# KiCad board omnimarble-driver.kicad_pcb (continued)
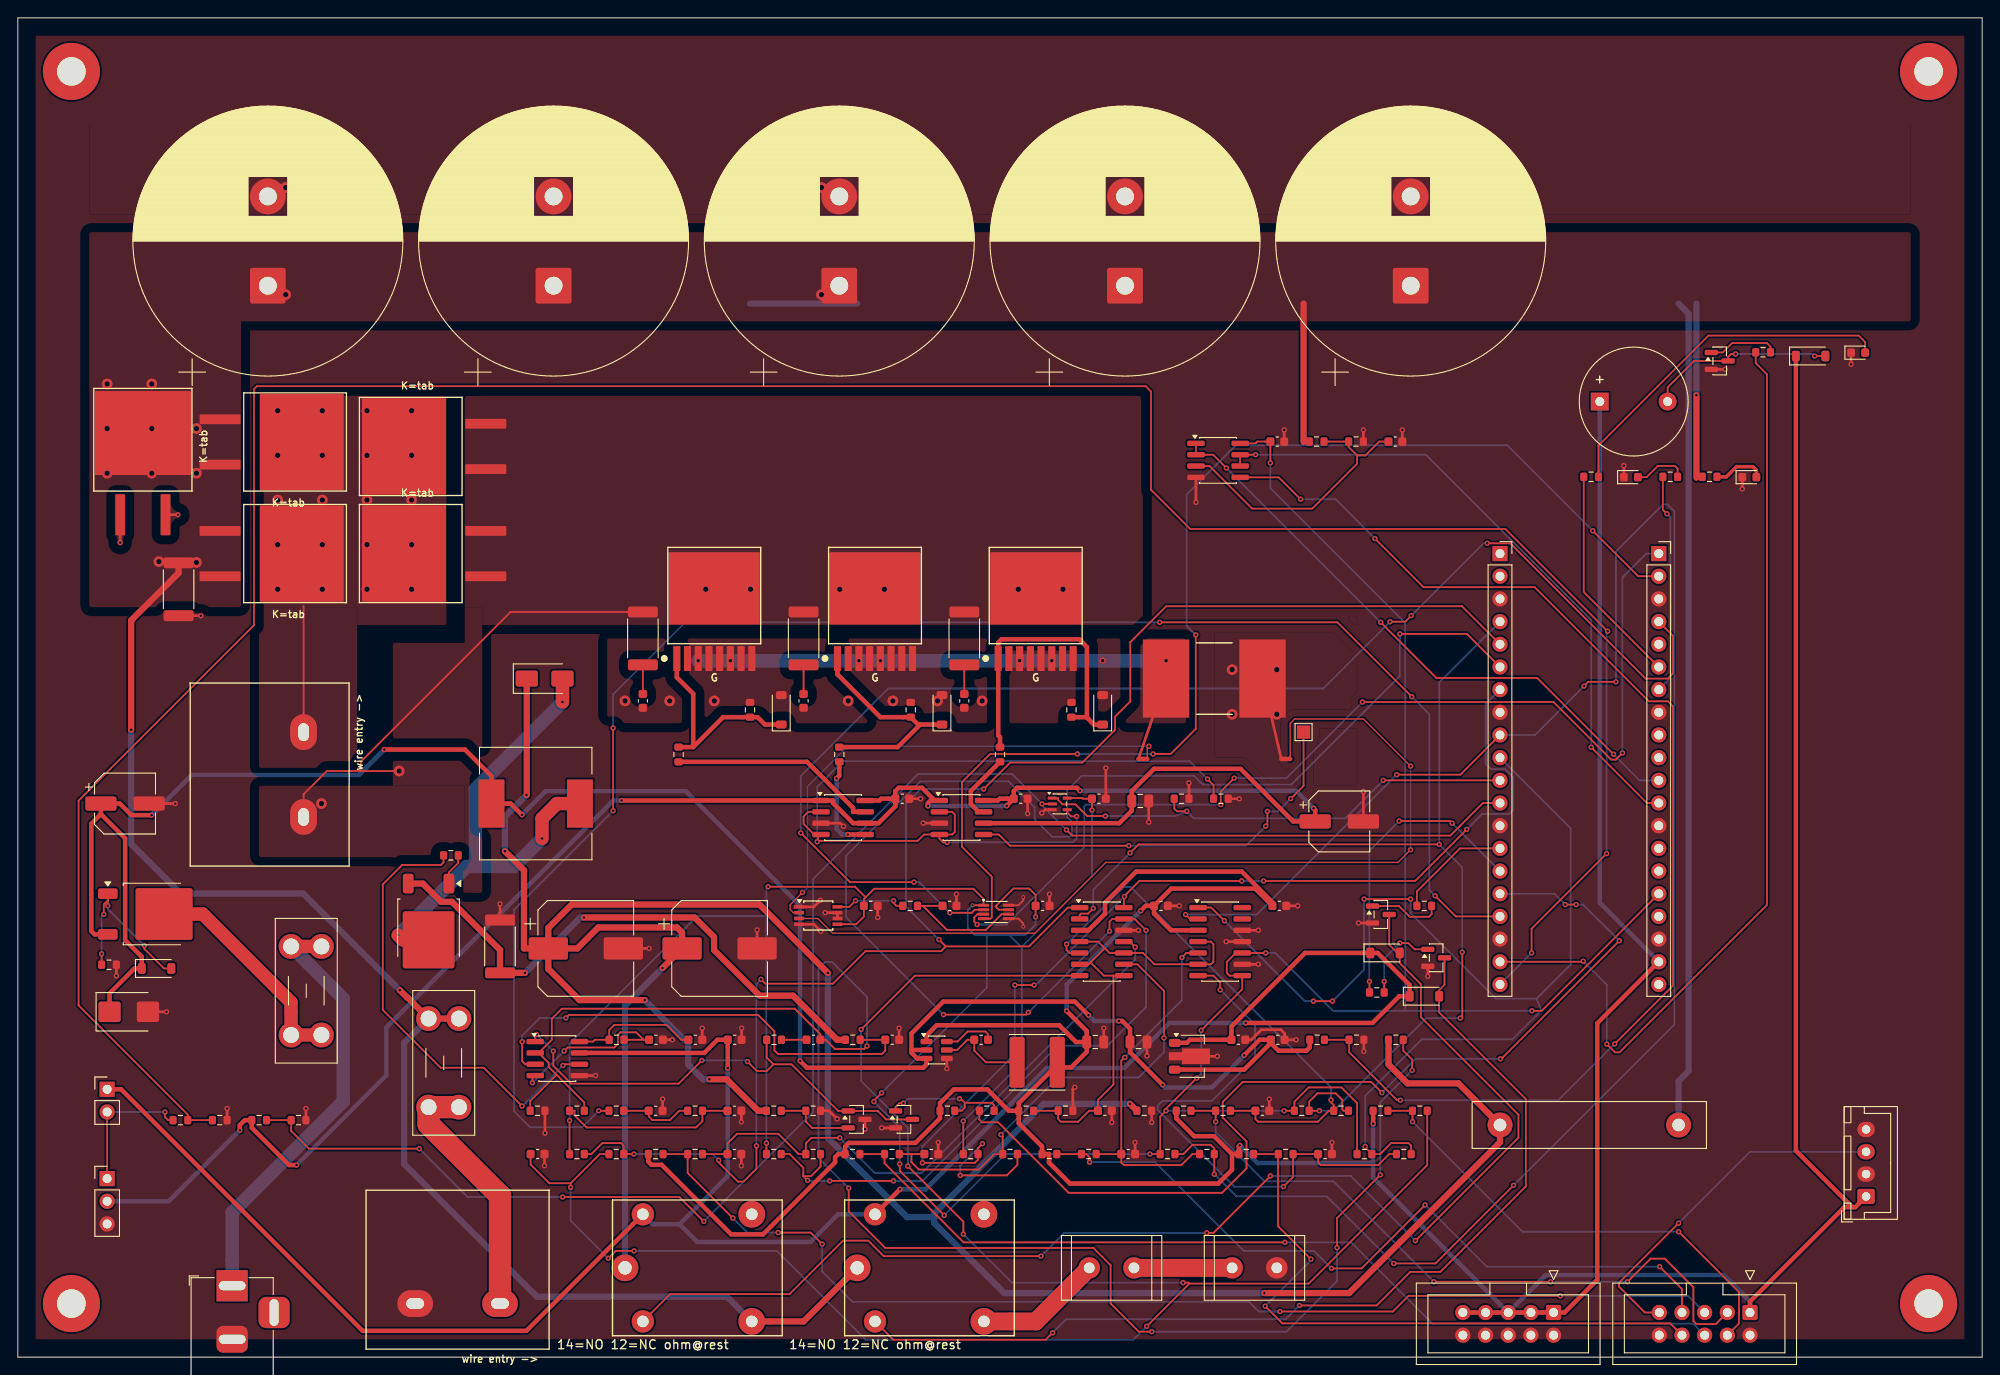
[diagram p0: board, top side]
## Nets
3V3: C17.1 C20.1 C26.1 C28.1 J10.16 R48.1 R52.1 R56.1 R60.1 R64.1 R68.1 U3.8 U6.5 U9.5 U10.1 U10.7 U12.8 U12.10
24V_F: F1.2 Q90.2
24V_JACK: F1.1 J1.1
+5V: BZ1.1 C3.1 C36.1 C37.1 D16.1 J6.1 J6.3 J6.5 J6.7 J6.9 J7.1 J8.1 J10.19 L1.2 R17.1 R44.1 R46.1 R50.1 R54.1 R58.1 R62.1 R66.1 U1.1 U11.3 U12.3
+12V: C5.1 C9.1 D3.1 D4.1 J3.1 K1.A1 K2.A1 U2.1 U4.7
+12V_SW: C18.1 C19.1 C21.1 C22.1 J4.2 R30.1 U7.1 U7.6 U7.8 U8.1 U8.6 U8.8
+24V: C1.1 C4.1 C6.1 D1.1 D90.1 L2.1 Q90.3 R2.1 U1.2 U1.3 U2.3
GND: C1.2 C3.2 C4.2 C5.2 C6.2 C7.2 C8.2 C9.2 C11.2 C12.2 C13.2 C14.2 C15.2 C16.2 C17.2 C18.2 C19.2 C20.2 C21.2 C22.2 C26.2 C27.2 C28.2 C29.2 C30.2 C31.2 C32.2 C33.2 C34.2 C35.2 C36.2 C37.2 C90.2 C91.2 C92.2 C93.2 C94.2 D5.1 D13.2 D14.1 D15.1 D90.2 J1.2 J2.2 J4.3 J6.2 J6.4 J6.6 J6.8 J6.10 J7.2 J7.10 J8.2 J8.4 J9.3 J9.8 J9.13 J9.18 J10.3 J10.8 J10.13 J10.18 NT2.1 Q1.2 Q2.2 Q3.2 Q4.2 R1.2 R3.2 R7.2 R9.2 R11.2 R16.2 R22.2 R24.2 R27.2 R29.2 R31.2 R32.2 R33.2 R45.2 RS1.2 U1.4 U2.2 U3.4 U4.5 U5.3 U6.3 U7.3 U8.3 U9.1 U9.4 U9.6 U9.7 U10.5 U10.8 U11.12 U12.9 U12.11 U12.12
V24_DIV: R2.2 R3.1 U3.5
V24_SENSE: J10.12 U3.6 U3.7
ADC_CS: J10.2 U10.4
ADC_SCK: J10.4 U10.2
ADC_SDO: J10.1 U10.3
ARM_SENSE: J9.12 R30.2 R31.1 U6.2
AUX_BANK: F2.1 J2.1
BOOST_EN_N: J9.16 R18.1
BST_COMP: Q1.3 R5.1 U4.1 U5.1
BST_COMP_Z: C10.1 R5.2
BST_CS: C11.1 R8.2 U4.3
BST_CS_HI: Q91.3 R7.1 R8.1
BST_DRV: R6.1 U4.6
BST_FB: C10.2 R10.2 R11.1 R12.2 U4.2
BST_G: Q91.1 R6.2
BST_RC: C7.1 R4.2 U4.4
BST_SW: D2.2 L2.2 Q91.2
BST_VREF: C8.1 R4.1 U4.8
BSTINH_B: Q1.1 R17.2 R18.2
BUCK_BST: C2.2 U1.6
BUCK_SW: C2.1 L1.1 U1.5
BUZZ: J9.19 R72.1
BUZZ_B: Q4.1 R72.2
BUZZ_DRV: BZ1.2 D16.2 Q4.3
CIN1: C30.1 R47.2 R49.1 U11.5
CIN2: C31.1 R51.2 R53.1 U11.7
CIN3: C32.1 R55.2 R57.1 U11.11
CIN4: C33.1 R59.2 R61.1 U11.9
CIN5: C34.1 R63.2 R65.1 U12.5
CIN6: C35.1 R67.2 R69.1 U12.7
COIL_HI: D9.1 D10.1 D11.1 D12.1 J5.1
DRV1: R34.1 U7.7
DRV2: R37.1 U7.5
DRV3: R40.1 U8.7
DRV_SPARE: TP1.1 U8.5
DUMP_MID: R21.2 R22.1
DUMP_R: K2.14 R21.1
ESTOP_OK: J3.2 J4.1 R28.1
ESTOP_SENSE: J9.20 R28.2 R29.1
FIRE_GATED: R33.1 U6.4 U7.2 U7.4 U8.2 U8.4
GATE1: J9.4 R48.2 R49.2 U11.2
GATE2: J9.5 R52.2 R53.2 U11.1
GATE3: J9.6 R56.2 R57.2 U11.13
GATE4: J9.7 R60.2 R61.2 U11.14
GATE5: J9.9 R64.2 R65.2 U12.2
GATE6: J9.10 R68.2 R69.2 U12.1
IMON: R43.1 U9.8
IMON_F: C27.1 R43.2 U10.6
ISNS_N: NT2.2 U9.3
ISNS_P: NT1.2 U9.2
K1_B: Q2.1 R20.2
K1_COIL: D3.2 K1.A2 Q2.3
K2_B: Q3.1 R23.2
K2_COIL: D4.2 K2.A2 Q3.3
LED_ARMED: J10.6 R70.1
LED_CHG: J10.7 R71.1
LEDA_K: D14.2 R70.2
LEDC_K: D15.2 R71.2
LIVE_LED: D5.2 R25.2
MCU_FIRE: J9.11 R32.1 U6.1
OVP_REF: R15.2 R16.1 U5.2
QG1: D6.1 Q10.1 R34.2 R35.1
QG2: D7.1 Q11.1 R37.2 R38.1
QG3: D8.1 Q12.1 R40.2 R41.1
RLY_CHARGE: J9.14 R20.1
RLY_DUMP: J9.15 R23.1
RPP_G: D1.2 Q90.1 R1.1
SHUNT_HI: C23.2 C24.2 C25.2 D6.2 D7.2 D8.2 NT1.1 Q10.3 Q11.3 Q12.3 R35.2 R38.2 R41.2 RS1.1
SIG1: J7.3 R46.2 R47.1
SIG2: J7.4 R50.2 R51.1
SIG3: J7.5 R54.2 R55.1
SIG4: J7.6 R58.2 R59.1
SIG5: J7.7 R62.2 R63.1
SIG6: J7.8 R66.2 R67.1
SIG_SPARE: J7.9 J8.3
SNB1: C23.1 R36.2
SNB2: C24.1 R39.2
SNB3: C25.1 R42.2
SW_DRAIN: D11.2 D12.2 J5.2 Q10.2 Q11.2 Q12.2 R36.1 R39.1 R42.1
VBANK: C90.1 C91.1 C92.1 C93.1 C94.1 D9.2 D10.2 D13.1 F2.2 K1.14 K2.11 R19.2 R24.1 R25.1 R26.1
VBANK_DIV: C16.1 R26.2 R27.1 U3.3
VBANK_SENSE: J10.11 U3.1 U3.2
VBOOST: C12.1 C13.1 D2.1 K1.11 R9.1 R10.1 R15.1 R19.1
VSET_FLT: C15.1 R12.1 R14.2
VSET_PWM: J9.17 R13.1
VSET_RC: C14.1 R13.2 R14.1
VTH_GATE: C29.1 R44.2 R45.1 U11.4 U11.6 U11.8 U11.10 U12.4 U12.6

Pads without a net: H1 1; H2 1; H3 1; H4 1; J1 3; J9 1 2; J10 5 9 10 14 15 17 20; K1 12; K2 12; U12 13 14

## Via types
v1: diameter 0.6, hole 0.3, Top to Bottom, 305 vias
v2: diameter 1.2, hole 0.6, Top to Bottom, 53 vias
v3: diameter 0.45, hole 0.25, Top to Bottom, 3 vias
v4: diameter 0.7, hole 0.4, Top to Bottom, 8 vias

## Routing (per net, layer and track width the routed paths; a pad name or vN(x,y) marks a point on that pad's centre or on a via; arc(x,y) is an arc through that point)
3V3: length 428.2
  Top w0.2: R52.1 v1(61.79,26.5) ; v1(141.82,27.59) R48.1 142.97,28.61 144.57,30.21 148.24,30.21 149.99,28.45 R68.1 ; v1(84.02,52.68) 93.77,52.68 94.95,51.5 ; v3(106.93,50.61) U10.1 108.16,51.32 107.02,52.46 95.91,52.46 94.95,51.5 ; v1(132.53,36.6) 137.13,41.2 U12.8 135.7,42.73 135.4,43.02 135.4,44.27 136.16,45.03 ; v1(98.78,21.63) 98.78,20.86 v1(103.75,15.88) ; U9.5 93.9,48.48 94.75,49.34 C26.1 94.75,51.3 94.95,51.5 ; U12.10 v1(139.76,45.27) ; 109.49,50.47 109.85,50.11 U10.7 ; v1(132.02,31.25) 128.59,27.83 v1(128.59,27.59) 127.94,26.94 R64.1 v1(126.79,22.75) ; v1(113.99,49.32) C28.1 113.99,51.75 113.26,52.49 111.49,52.49 109.49,50.48 ; v1(140.28,100.16) C17.1 138.81,102.55 138.61,102.34 U3.8 ; v1(169.57,38.79) 170.67,38.79 J10.16 ; v1(105.89,26.44) R60.1 ; R56.1 v1(83.84,23.97) ; v1(95.88,28.62) 95.88,28.74 v1(96.73,29.59) ; v1(120.3,61.27) C20.1 119.29,62.55 119.23,62.61 U6.5
  Bottom w0.2: v1(132.53,36.6) 132.53,31.76 v1(132.02,31.25) ; 111.05,47.26 112.34,45.97 112.45,45.97 ; 111.05,47.26 108.52,47.26 ; 111.05,47.26 112.82,47.26 113.99,48.43 v1(113.99,49.32) ; 108.52,47.26 107.18,47.26 106.39,48.05 106.39,50.07 v3(106.93,50.61) ; 108.52,47.26 108.52,41.38 v1(96.73,29.59) ; v1(169.57,38.79) 155.38,38.79 ; 155.38,38.79 147.31,38.79 140.83,45.27 v1(139.76,45.27) ; 155.38,38.79 155.38,82.23 140.28,97.33 v1(140.28,100.16) ; 83.84,49.39 v1(83.84,23.97) ; 83.84,49.39 76.06,49.39 61.79,35.13 v1(61.79,26.5) ; 83.84,49.39 83.84,52.5 v1(84.02,52.68) ; v1(105.89,26.44) 112.45,32.99 112.45,45.97 ; v1(128.59,27.59) v1(141.82,27.59) ; v1(95.88,28.62) 98.78,25.72 v1(98.78,21.63) ; 112.45,45.97 120.3,53.82 v1(120.3,61.27) ; v1(126.79,22.75) 110.62,22.75 v1(103.75,15.88)
24V_F: length 25.4
  Top w1.5: F1.2 F1.2 30.6,39.73 20.7,49.63 16.38,49.63
24V_JACK: length 49
  Top w1.5: F1.1 F1.1
  Bottom w1.5: F1.1 36.44,40.16 36.44,28.65 24,16.21 J1.1
+5V: length 512.3
  Top w0.5: J6.9 J6.7 J6.5 J6.3 J6.1 173.23,5 176.89,8.67 176.89,37.39 J10.19 ; R50.1 v1(151.79,26.14) ; R46.1 129.74,26.74 131.73,24.75 133.98,24.75 135.98,22.75 ; D16.1 199.14,23.12 205.47,16.8 ; C36.1 126.3,50.55 v1(125.75,49.99) ; C36.1 127.25,49.69 129.13,47.81 U12.3 ; C36.1 129.18,52.48 138.58,52.48 C37.1 140.51,50.96 137.08,54.39 125.24,54.39 121.76,50.9 121.76,49.67 119.9,47.81 U11.3 ; J8.1 205.8,16.8 205.47,16.8 ; 119.72,35.3 119.72,36.53 v1(117.47,38.77) ; 119.72,35.3 118.5,35.3 116.63,37.17 102.91,37.17 101.77,36.03 U1.1 ; 119.72,35.3 119.72,34.19 117.97,32.45 116.42,32.45 ; 135.98,22.75 135.98,20.99 134.43,19.44 117.85,19.44 115.49,21.8 115.49,22.75 R62.1 114.71,23.6 112.1,26.21 R44.1 ; 135.98,22.75 R66.1 136.76,23.62 v1(136.86,23.72) ; R44.1 112.1,28.45 116.11,32.45 116.42,32.45 ; R44.1 110.99,27.59 108.59,29.99 104.83,29.99 103.28,28.45 R17.1 103.28,26.74 100.53,23.99 93.06,23.99 92.66,23.6 R58.1 91.88,22.75 91.53,22.39 91.53,21.82 83.46,13.75 79.9,13.75 72.11,21.54 70.96,21.54 70.61,21.89 R54.1 ; 205.47,16.8 204.57,16.8 194,6.23 J7.1 ; 116.42,32.45 116.42,33.03
  Bottom w0.5: J10.19 177.18,50.89 177.18,107.03 ; v1(117.47,38.77) 117.47,41.71 v1(125.75,49.99) ; 151.79,21.73 138.85,21.73 v1(136.86,23.72) ; 151.79,21.73 151.79,20.13 J6.5 171.11,9.19 191.04,9.19 194,6.23 J7.1 ; 151.79,21.73 v1(151.79,26.14)
+12V: length 248.1
  Top w0.5: U4.7 76.88,34.08 78.35,35.55 C9.1 v1(79.51,32.37) ; K2.A1 v1(98.8,18.8) ; K1.A1 56.95,2.95 38.61,2.95 11.56,30 J3.1 ; v1(137.52,37.43) 151.72,37.43 154.72,40.42 155.88,40.42 155.88,41.69 152.3,45.28 D3.1 144.17,45.28 135.92,37.03 C5.1 131.27,35.55 130.93,35.2 U2.1
  Bottom w0.5: 94.69,16 91.86,16 88.76,12.9 76.1,12.9 74.12,14.88 ; v1(137.52,37.43) 128.97,37.43 123.93,32.38 115.24,32.38 101.65,18.8 v1(98.8,18.8) ; 74.12,14.88 71.12,14.88 K1.A1 ; 74.12,14.88 79.51,20.27 v1(79.51,32.37)
+12V_SW: length 222.8
  Top w0.5: U8.6 123.37,59.81 124.75,61.19 124.75,63.4 127.26,65.9 136.94,65.9 142.84,60 C19.1 145.3,61.3 v1(145.12,61.48) ; v1(110.75,61.75) C22.1 ; C22.1 109.96,62.55 109.76,62.34 U8.8 ; C22.1 111.54,63.4 111.92,63.77 118.61,63.77 v1(118.95,63.43) ; 102.45,62.58 101.92,62.05 v1(101.92,61.74) ; 102.45,62.58 102.69,62.34 U8.1 ; 102.45,62.58 101.27,63.77 98.66,63.77 98.28,63.4 C21.1 ; U7.8 96.5,62.34 96.7,62.55 C21.1 ; C21.1 98.28,61.69 96.39,59.81 U7.6 93.55,59.81 91.3,62.05 91.3,62.34 U7.1 v1(67.61,62.34) ; v1(31.22,21.52) 30.38,21.52 26.2,25.69 R30.1 25.42,26.55 24.86,25.98 v1(24.86,25.41)
  Bottom w0.5: v1(67.61,62.34) 66.69,62.34 41.27,36.92 41.27,31.57 v1(31.22,21.52) ; v1(24.86,25.41) 16.91,17.46 J4.2 ; v1(118.95,63.43) 143.17,63.43 v1(145.12,61.48) ; v1(110.75,61.75) 110.74,61.74 v1(101.92,61.74)
+24V: length 241.9
  Top w0.5: v1(119.91,38.3) 118.39,39.82 103.64,39.82 100.08,36.26 100.08,34.1 100.73,33.45 U1.3 101.77,32.77 101.41,32.42 88.37,32.42 v1(87.6,33.18) ; D90.1 10.27,40.75 13.05,43.53 D1.1 13.88,44.84 12.02,46.71 12.02,58.11 9.3,60.82 ; v1(14.98,60.7) 12.73,60.7 11.43,62 C1.1 9.3,60.82 ; R2.1 144.69,34.69 144.31,34.32 141.2,34.32 140.33,35.19 ; v1(123.31,37.65) 123.7,37.65 124.56,36.78 C4.1 124.56,34.15 v1(128.22,30.5) ; 10.07,47.35 8.6,47.35 8.22,47.73 8.22,59.75 9.3,60.82 ; v1(137.34,33.81) 139.08,35.55 C6.1 140.33,35.19 ; v1(56.46,60.74) 55.19,62 L2.1 53.05,65.08 50.07,68.05 v1(41.04,68.05) ; U2.3 137.34,32.2 140.33,35.19 ; U1.2 100.08,34.4
  Bottom w0.5: v1(128.22,30.5) 128.52,30.2 133.74,30.2 v1(137.34,33.81) ; v1(87.6,33.18) 87.6,50.59 74.8,63.4 59.12,63.4 v1(56.46,60.74) ; v1(123.31,37.65) 120.56,37.65 v1(119.91,38.3) ; v1(14.98,60.7) 19.5,65.21 38.21,65.21 v1(41.04,68.05)
GND: length 138.4
  Top w0.2: U10.5 112.06,49.11 112.61,48.57 v3(112.61,48.21) ; U10.8 112.06,50.61 112.61,51.15 v3(112.61,51.51)
  Top w0.3: R45.2 118.16,30.01 v1(118.37,30.22) ; v1(91.77,26.67) 90.84,27.59 R16.2 ; C5.2 138.15,35.55 139.27,36.67 141.46,36.67 141.88,36.25 C6.2 v1(143.16,35.55) ; C15.2 v1(81.03,26.35) ; C14.2 v1(72.21,28.9) ; Q1.2 v1(96.74,25.67) ; v1(70.7,45.78) C12.2 ; C19.2 v1(150.7,63.34) ; v1(89.87,51.16) 89.15,50.44 87.5,50.44 ; R29.2 v1(23.44,27.85) ; C1.2 v1(17.63,62) ; v1(157.91,42.65) Q3.2 ; D5.1 v1(193.14,97.25) ; v1(92.47,59.45) 92.12,59.81 U7.3 ; v1(94.87,25.53) U5.3 ; v1(126.66,59.92) 126.66,62.3 ; C4.2 v1(126.47,33.74) ; C35.2 v1(147.18,24.05) ; v1(131.16,64.31) R32.2 ; C17.2 v1(141.83,103.85) ; C8.2 v1(76.65,36.85) ; v1(125.5,47.81) U11.12 ; U1.4 v1(104.04,32.32) ; R1.2 v1(11.03,42.71) ; Q4.2 v1(191.23,110.62) ; C32.2 v1(81.03,21.44) ; C26.2 v1(96.3,49.24) ; C22.2 v1(113.09,60.88) ; C28.2 v1(115.54,51.85) ; U12.9 v1(138.93,44) ; C21.2 v1(101.1,62.55) ; U4.5 v1(64.7,31.53) ; C20.2 v1(121.85,65.99) ; R7.2 v1(54,50.76) ; C34.2 v1(125.13,24.05) ; C31.2 v1(58.98,21.44) ; R9.2 v1(126.98,26.29) ; D13.2 v1(11.46,91.22) ; 121.61,35.3 v1(121.61,36.85) ; 131.37,33.7 v1(134.34,33.7) ; D90.2 v1(16.65,38.68) ; C16.2 v1(155.06,103.85) ; U8.3 v1(101.41,59.81) ; v1(130.08,50.55) C36.2 ; R11.2 v1(59.03,25.09) ; U3.4 v1(131.95,95.74) ; R33.2 v1(136.8,62.55) ; C13.2 v1(82.8,47.85) ; D15.1 v1(179.87,99.86) ; v1(90.42,49.78) U9.7 91.8,49.14 ; U12.11 v1(135.33,46.54) ; R24.2 v1(20.5,83.04) ; C9.2 v1(81.06,36.85) ; 87.5,48.48 89.15,48.48 v1(89.92,47.71) ; Q2.2 v1(150.15,48.62) ; C29.2 v1(122.52,26.29) ; C27.2 v1(105.12,51.85) ; R27.2 v1(150.7,103.85) ; RS1.2 NT2.1 ; R3.2 v1(150.75,34.24) ; v1(73.31,35.55) C7.2 ; C33.2 v1(103.08,24.05) ; v1(114.67,60.94) 115.04,61.31 U6.3 ; C11.2 v1(98.7,36.85) ; U12.12 v1(138.93,47.81) ; D14.1 v1(205.32,111.2) ; C30.2 v1(140.16,28.9) ; C37.2 v1(143.34,50.55) ; D13.2 v1(17.92,94.35) ; R31.2 v1(32.26,27.85)
  vias: v2(30,131) v2(90,131) v2(136,77) v2(136,72) v2(141,77) v2(141,72)
V24_DIV: length 138.3
  Top w0.2: v1(151.99,91.68) 157.43,86.24 169.88,86.24 182.67,73.45 184.81,73.45 185.38,72.88 185.38,41.62 v1(178.84,35.08) ; R2.2 R3.1 149.1,34.15 154.47,28.78 v1(154.84,28.78) ; v1(143.66,96.09) 141.22,98.53 U3.5
  Bottom w0.2: v1(151.99,91.68) 147.58,96.09 v1(143.66,96.09) ; v1(154.84,28.78) 172.54,28.78 v1(178.84,35.08)
V24_SENSE: length 72.7
  Top w0.2: v1(138.63,101.08) 136.9,101.08 U3.6 ; J10.12 182.46,62.06 v1(176.22,68.3)
  Bottom w0.2: v1(176.22,68.3) 176.22,82.54 157.69,101.08 v1(138.63,101.08)
ADC_CS: length 134.1
  Top w0.2: v1(118.67,67.55) 108.9,67.55 105.73,64.39 105.73,57.17 109.08,53.82 109.08,49.26 108.93,49.11 U10.4 ; v1(176.38,92.56) 181.48,87.46 J10.2 ; v1(131.93,80.89) 131.93,70.37 129.11,67.55 v1(127.15,67.55)
  Bottom w0.2: v1(118.67,67.55) v1(127.15,67.55) ; v1(131.93,80.89) 130.9,81.92 130.9,96.62 136.41,102.13 166.82,102.13 v1(176.38,92.56)
ADC_SCK: length 152.2
  Top w0.2: v1(156.06,83.05) 155.37,82.37 v1(153.68,82.37) ; v1(164.57,91.15) 167.15,91.15 182.3,76 184.8,76 185.38,76.58 185.38,80.78 J10.4 ; v1(87.69,58.71) 93.2,53.2 v1(100.36,53.2) ; U10.2 107.18,50.11 106.84,49.77 v1(104.38,49.77)
  Bottom w0.2: v1(156.06,83.05) 164.16,91.15 v1(164.57,91.15) ; v1(100.36,53.2) 100.95,53.2 v1(104.38,49.77) ; v1(153.68,82.37) 146.2,74.89 97.48,74.89 87.69,65.1 v1(87.69,58.71)
ADC_SDO: length 116
  Top w0.2: U10.3 107.48,49.61 107.11,49.23 107.11,48.79 v1(107.44,48.46) ; v1(150.59,73.37) 172,73.37 178.45,66.92 178.97,66.92 v1(179.71,67.67) ; v1(134.72,61.89) 134.72,63.34 v1(136.23,64.85)
  Bottom w0.2: J10.1 182.39,90 179.71,87.32 v1(179.71,67.67) ; v1(134.72,61.89) 119.64,61.89 119.43,61.68 119.43,57.13 110.75,48.46 v1(107.44,48.46) ; v1(136.23,64.85) 142.07,64.85 v1(150.59,73.37)
ARM_SENSE: length 185.2
  Top w0.2: v1(114.72,61.96) U6.2 ; R30.2 R31.1 30.61,25.34 32.59,23.35 v1(44.96,23.35) ; v1(76.82,15.2) 74.09,17.94 v1(61.02,17.94) ; J9.12 164.08,62.06 160.44,58.42 118.08,58.42 v1(117.44,59.05)
  Bottom w0.2: v1(61.02,17.94) 50.37,17.94 v1(44.96,23.35) ; v1(117.44,59.05) 114.72,61.78 v1(114.72,61.96) 111.36,65.32 100.82,65.32 89.07,53.56 89.07,27.45 v1(76.82,15.2)
AUX_BANK: length 28.7
  Top w2.5: J2.1 54,18.09 46,26.09 F2.1 F2.1
BOOST_EN_N: length 112.4
  Top w0.2: v1(179.37,46.64) 166.14,33.41 v1(166.04,33.41) ; R18.1 107.69,26.6 107.98,26.3 109.79,26.3 117.69,18.4 134.86,18.4 137.61,21.15 137.61,24.16 134.95,26.82 134.95,28.59 137.18,30.82 151.57,30.82 v1(152.77,29.63) ; v1(174.53,50.69) v1(173.31,50.69)
  Bottom w0.2: v1(152.77,29.63) 156.55,33.41 v1(166.04,33.41) ; v1(179.37,46.64) 175.32,50.69 v1(174.53,50.69) ; v1(173.31,50.69) 172.1,51.9 J9.16
BST_COMP: length 53.7
  Top w0.2: 84.63,32.8 86.66,32.8 91.88,27.58 U5.1 96.29,27.58 97.24,26.62 Q1.3 ; 84.63,32.8 83.87,32.04 82.78,32.04 v1(81.72,33.1) ; 84.63,32.8 83.87,33.55 R5.1 ; U4.1 57.95,36 v1(58.09,36.15) ; v1(59.97,34.27) 59.97,32.64 61.98,30.63 74.01,30.63 v1(76.6,33.23)
  Bottom w0.2: v1(59.97,34.27) v1(58.09,36.15) ; v1(76.6,33.23) 81.59,33.23 v1(81.72,33.1)
BST_COMP_Z: length 2.8
  Top w0.2: C10.1 R5.2
BST_CS: length 53.4
  Top w0.2: v1(56.47,35.33) 56.47,33.16 56.82,32.81 U4.3 ; R8.2 C11.1 97.15,34.34 96.76,33.95 85.13,33.95 84.73,34.36 84.73,36.51 82.91,38.32 61.71,38.32 v1(61.37,37.99)
  Bottom w0.2: v1(56.47,35.33) 56.47,36.01 58.45,37.99 v1(61.37,37.99)
BST_CS_HI: length 63.7
  Top w0.7: R8.1 91.76,35.55 86.82,40.49 83.08,40.49 77.98,45.59 77.98,47.05 75.79,49.24 v1(63.38,49.24) ; Q91.3 45.36,53.04 47.4,51 48.62,51 54,45.61 R7.1 v1(56.8,43.04)
  Bottom w0.7: v1(56.8,43.04) 63.01,49.24 v1(63.38,49.24)
BST_DRV: length 51.1
  Top w0.2: R6.1 47.67,55.42 47.38,55.13 43.05,55.13 40.87,52.95 40.87,38.89 47.35,32.42 52.17,32.42 v1(56.47,28.12) ; U4.6 61.19,32.81 v1(61.06,32.67)
  Bottom w0.2: v1(56.47,28.12) 56.51,28.12 v1(61.06,32.67)
BST_FB: length 193.2
  Top w0.2: 63.44,28.11 63.44,28.52 60.33,31.63 ; v1(95.11,34.85) 94.78,34.52 91.51,34.52 90.48,35.55 C10.2 89.88,36.17 87.03,39.03 60.92,39.03 59.8,37.9 59.8,35.54 58.33,34.08 ; 60.33,31.63 57.38,28.68 57.38,28.16 ; 60.33,31.63 59.45,32.51 59.45,32.95 58.33,34.08 ; v1(156.16,32.13) 156.16,33.34 155.16,34.34 R10.2 ; v1(93.05,18.93) 93.05,16.33 97.16,12.23 120.46,12.23 122.39,10.3 122.39,6.01 125.55,2.85 v1(126.99,2.85) ; 58.33,34.08 U4.2 ; v1(152.59,20.42) 147.74,15.57 v1(147.74,12.26)
  Bottom w0.2: v1(93.05,18.93) 89.67,22.31 89.67,43.49 90.43,44.25 91.2,44.25 95.11,40.34 v1(95.11,34.85) ; v1(156.16,32.13) 152.59,28.56 v1(152.59,20.42) ; v1(126.99,2.85) 142.09,2.85 147.74,8.51 v1(147.74,12.26)
BST_G: length 3.6
  Top w0.2: Q91.1 48.28,54.29 49.33,55.34 R6.2
BST_RC: length 19.5
  Top w0.2: 70.09,35.55 69.25,36.38 67.49,36.38 67.21,36.1 67.21,35.08 66.81,34.68 61.57,34.68 v1(61.18,34.29) ; 70.09,35.55 C7.1 ; 70.09,35.55 R4.2 ; v1(57.62,30.73) 57.62,31.21 U4.4
  Bottom w0.2: v1(57.62,30.73) v1(61.18,34.29)
BST_SW: length 56.5
  Top w1.5: D2.2 v1(61,73.37) ; v1(42.6,47.26) 43.12,46.74 Q91.2 ; L2.2 60.38,62 58.71,60.33 v1(58.71,58.09)
  Bottom w1.5: 51.24,54.95 51.24,63.61 v1(61,73.37) ; 51.24,54.95 50.3,54.95 v1(42.6,47.26) ; 51.24,54.95 55.57,54.95 v1(58.71,58.09)
BST_VREF: length 14.3
  Top w0.2: U4.8 64.41,35.34 64.61,35.55 R4.1 66.23,36.63 66.81,37.21 72.64,37.21 74.3,35.55 C8.1
BSTINH_B: length 14.6
  Top w0.2: Q1.1 98.31,28.03 98.73,28.45 v1(99.18,28.45) ; R18.2 109.34,28.22 109.07,28.49 106.06,28.49 ; 106.06,28.49 106.06,27.96 105.7,27.59 R17.2 ; 106.06,28.49 105.6,28.94 v1(105.45,28.94)
  Bottom w0.2: v1(105.45,28.94) 99.68,28.94 v1(99.18,28.45)
BUCK_BST: length 5.8
  Top w0.2: C2.2 108.66,36.17 108.36,36.47 106.37,36.47 105.24,35.35 U1.6
BUCK_SW: length 10.1
  Top w0.2: U1.5 105.21,34.4 106.35,35.55 C2.1 107.11,34.34 108.42,33.03 111.92,33.03
BUZZ: length 107.3
  Top w0.2: v1(177.97,35.06) 178.88,34.14 179.38,34.14 195.9,50.66 195.9,110.07 194.64,111.34 R72.1 ; v1(175.32,44.34) 175.26,44.28 J9.19
  Bottom w0.2: v1(177.97,35.06) 177.97,41.7 v1(175.32,44.34)
BUZZ_B: length 7.9
  Top w0.2: R72.2 196.29,113.17 195.88,113.58 192,113.58 190.94,112.53 189.67,112.53
BUZZ_DRV: length 21.2
  Top w0.2: v1(201.24,112.12) D16.2 ; 184.78,107.03 184.78,108.62 187.73,111.58 Q4.3 191.54,112.03 191.87,112.36 v1(192.39,112.36)
  Bottom w0.2: v1(192.39,112.36) 201.01,112.36 v1(201.24,112.12)
CIN1: length 59.7
  Top w0.2: v1(147.08,28.8) 147.08,28.53 147.38,28.22 R49.1 146.83,27.59 145.6,26.37 138.9,26.37 138.61,26.66 C30.1 R47.2 ; U11.5 117.79,45.27 117.45,45.61 v1(117.45,46.25)
  Bottom w0.2: v1(147.08,28.8) 147.08,30.21 124.65,52.64 123.84,52.64 v1(117.45,46.25)
CIN2: length 214.7
  Top w0.2: 61.91,19.47 59.53,19.47 57.43,21.57 57.43,22.53 ; 61.91,19.47 65.18,22.75 R53.1 ; 61.91,19.47 v1(61.91,19.01) ; v1(69.02,11.9) 66.96,11.9 v1(66.13,11.07) ; 131.22,8.24 131.11,8.34 v1(130.5,8.34) ; 131.22,8.24 144.57,8.24 157.85,21.51 R51.2 ; 131.22,8.24 v1(126.43,3.45) ; v1(105.9,13.77) 105.9,15.18 v1(99.68,21.4) ; U11.7 100.48,42.73 v1(94.45,36.7)
  Bottom w0.2: v1(130.5,8.34) 111.33,8.34 v1(105.9,13.77) ; v1(61.91,19.01) 61.91,15.29 v1(66.13,11.07) ; v1(99.68,21.4) 99.68,25.69 94.45,30.91 v1(94.45,36.7) ; v1(69.02,11.9) 85.01,11.9 94.96,1.95 124.93,1.95 v1(126.43,3.45)
CIN3: length 67
  Top w0.2: v1(92.05,24.57) 88.86,24.57 88.25,23.95 R57.1 87.44,22.75 85.17,25.02 80.55,25.02 79.48,23.95 C32.1 R55.2 ; v1(125.14,45.92) 124.52,46.54 U11.11
  Bottom w0.2: v1(92.05,24.57) 96.01,20.61 101.22,20.61 125.14,44.53 v1(125.14,45.92)
CIN4: length 54.7
  Top w0.2: v1(128.37,35.76) 128.37,41.02 125.38,44 U11.9 ; 100.08,22.75 R59.2 C33.1 100.08,22.75 ; 100.08,22.75 100.08,21.84 100.91,21.01 107.63,21.01 109.36,22.75 R61.1 110.3,24.73 v1(110.11,24.92)
  Bottom w0.2: v1(110.11,24.92) 116.51,31.32 125.53,31.32 128.37,34.16 v1(128.37,35.76)
CIN5: length 40
  Top w0.2: R65.1 131.54,22.75 130.32,21.52 123.87,21.52 123.58,21.81 C34.1 ; v1(130.37,44.76) 130.88,45.27 U12.5 ; C34.1 123.58,33.18 v1(123.97,33.57) ; C34.1 R63.2
  Bottom w0.2: v1(123.97,33.57) 130.37,39.97 v1(130.37,44.76)
CIN6: length 61.3
  Top w0.2: R69.1 153.59,22.75 152.37,21.52 145.92,21.52 145.63,21.81 C35.1 R67.2 142.82,20.17 v1(141.74,19.09) ; v1(134.67,41.14) 134.67,41.95 133.89,42.73 U12.7
  Bottom w0.2: v1(141.74,19.09) 136.24,19.09 127.66,27.68 127.66,28.17 128.19,28.7 133.72,28.7 138.57,33.55 138.57,37.23 v1(134.67,41.14)
COIL_HI: length 14.2
  Top w0.2: J5.1 32,84.15
  vias: v2(29.1,106) v2(29.1,101) v2(29.1,96) v2(29.1,91) v2(29.1,86) v2(34.1,106) v2(34.1,101) v2(34.1,96) v2(34.1,91) v2(34.1,86) v2(39.1,106) v2(39.1,101) v2(39.1,96) v2(39.1,91) v2(39.1,86) v2(44.1,106) v2(44.1,101) v2(44.1,96) v2(44.1,91) v2(44.1,86)
DRV1: length 23.5
  Top w0.5: U7.7 93.55,61.08 93.55,61.51 88.38,66.67 R34.1
DRV2: length 11.1
  Top w0.5: v1(91.69,64.81) 92,65.12 R37.1 ; U7.5 v1(92.95,58.53)
  Bottom w0.5: v1(92.95,58.53) 92.33,58.53 91.69,59.17 v1(91.69,64.81)
DRV3: length 7.9
  Top w0.5: R40.1 106.73,63.41 106.73,61.95 107.61,61.08 U8.7
DRV_SPARE: length 46
  Top w0.2: v1(139.95,61.13) 139.95,59.66 v1(139.75,59.47) ; TP1.1 144,63.99 v1(142.56,62.55) ; v1(124.42,57.28) 111.12,57.28 109.87,58.53 U8.5
  Bottom w0.2: v1(139.75,59.47) 137.57,57.28 v1(124.42,57.28) ; v1(142.56,62.55) 141.14,61.13 v1(139.95,61.13)
DUMP_MID: length 11
  Top w2: R21.2 R22.1
DUMP_R: length 14.3
  Top w2: K2.14 114,4 R21.1
ESTOP_OK: length 15.5
  Top w0.2: J4.1 J3.2 ; v1(16.47,27.45) 16.47,26.9 16.83,26.55 R28.1
  Bottom w0.2: v1(16.47,27.45) 16.46,27.46 J3.2
ESTOP_SENSE: length 312
  Top w0.2: v1(169.54,45.28) 169.54,47.99 v1(177.94,56.4) ; v1(178.05,81.3) 166.61,92.75 131.31,92.75 126.91,97.15 126.91,108.15 126.31,108.75 26.77,108.75 26.44,108.42 26.44,81.97 6.8,62.33 6.8,39.4 19.03,27.17 R28.2 R29.1
  Bottom w0.2: v1(177.94,56.4) 177.94,81.19 v1(178.05,81.3) ; J9.20 v1(169.54,45.28)
FIRE_GATED: length 100.4
  Top w0.2: 89.63,57.83 100.79,57.83 101.5,58.53 U8.4 ; 89.63,57.83 89.63,58.48 89.68,58.53 ; 89.63,57.83 v1(89.53,57.73) ; U7.2 88.52,61.08 88,60.55 88,59.72 89.18,58.53 89.68,58.53 ; U8.4 104.64,58.53 104.94,58.83 104.94,60.78 104.64,61.08 U8.2 ; U8.4 103.21,58.08 103.63,57.66 v1(104.08,57.66) ; 89.68,58.53 U7.4 ; R33.1 133.92,64.06 v1(133.25,64.73) ; v1(118.58,60.56) 117.96,60.56 117.53,60.98 U6.4
  Bottom w0.2: v1(118.58,60.56) 118.58,58.08 118.16,57.66 v1(104.08,57.66) ; v1(133.25,64.73) 131.23,66.75 92.41,66.75 89.53,63.86 v1(89.53,57.73)
GATE1: length 122.1
  Top w0.2: v1(161.55,37.97) 161.77,38.19 v1(161.77,45.36) ; U11.2 118.92,49.53 119.06,49.67 119.85,49.67 v1(120.44,50.26) ; v1(159.2,57.43) 125.52,57.43 v1(124.57,56.48) ; R49.2 148.48,27.59 148.34,27.74 148.34,28.81 147.6,29.55 145.56,29.55 144.62,28.61 R48.2 v1(145.77,27.59)
  Bottom w0.2: v1(120.44,50.26) 120.44,52.35 v1(124.57,56.48) ; v1(145.77,27.59) 147.36,27.59 157.73,37.97 v1(161.55,37.97) ; J9.4 159.2,75.58 v1(159.2,57.43) 161.77,54.86 v1(161.77,45.36)
GATE2: length 183.7
  Top w0.2: J9.5 161.74,84.1 128.62,84.1 124.59,80.08 124.59,73.44 122.89,71.73 122.89,70.26 119.23,66.6 111.14,66.6 v1(108.17,63.62) ; 103.93,46 v1(103.17,46.76) ; 103.93,46 103.4,45.47 94.93,45.47 91.29,41.83 83.71,41.83 v1(83.24,42.3) ; 103.93,46 113.25,46 117.6,50.35 U11.1 ; v1(69,22.75) R53.2 67.85,23.68 67.56,23.97 65.45,23.97 64.23,22.75 R52.2 ; v1(82.72,23.67) 82.72,21.1 81.28,19.66 80.64,19.66 78.49,21.8 v1(78.49,22.05)
  Bottom w0.2: v1(103.17,46.76) 99.46,50.47 99.46,61.97 101.12,63.62 v1(108.17,63.62) ; v1(69,22.75) 77.8,22.75 v1(78.49,22.05) ; v1(83.24,42.3) 82.72,41.78 v1(82.72,23.67)
GATE3: length 210.8
  Top w0.2: v1(103.67,38.36) 112.93,38.36 v1(113.18,38.61) ; 87.97,20.27 88.83,20.27 89.9,21.35 R57.2 ; 87.97,20.27 v1(88.45,19.8) ; 87.97,20.27 87.97,21.2 86.43,22.75 R56.2 ; v1(122.27,47.7) 122.27,48.77 122.58,49.08 U11.13 ; v1(126.36,47.8) 125.08,49.08 124.9,49.08 ; J9.6 162.3,81 v1(154.78,81) ; v1(90.92,19.74) v1(98.07,19.74)
  Bottom w0.2: v1(154.78,81) 154.78,76.29 142.63,64.13 132.71,64.13 131.73,65.11 119.14,65.11 117.53,63.5 117.53,60.5 118.04,59.99 118.04,58.55 117.77,58.28 115.84,58.28 113.87,60.25 113.87,61.58 110.97,64.48 101.08,64.48 92.77,56.17 92.77,49.26 v1(103.67,38.36) ; v1(113.18,38.61) v1(122.27,47.7) ; v1(126.36,47.8) 126.36,39.22 122.02,34.88 116.47,34.88 101.33,19.74 v1(98.07,19.74) ; v1(90.92,19.74) 88.5,19.74 v1(88.45,19.8)
GATE4: length 126.9
  Top w0.2: v1(111.66,41.68) v1(113.82,41.68) ; v1(139.53,53.33) 156.5,53.33 v1(162.27,59.1) ; v1(108.03,23.91) 107.54,23.42 R60.2 107.54,22.12 107.18,21.76 v1(101.32,21.76) ; 123.87,51.59 125.61,53.33 v1(137.07,53.33) ; 123.87,51.59 v1(123.93,51.59) ; 123.87,51.59 U11.14 ; R61.2 111.95,21.54 110.77,20.36 v1(105.54,20.36)
  Bottom w0.2: v1(113.82,41.68) 114.02,41.68 v1(123.93,51.59) ; J9.7 164.4,73.16 164.4,66.44 164.98,65.86 166.58,65.86 167.45,64.99 167.45,61.23 167.06,60.84 164.01,60.84 v1(162.27,59.1) ; v1(101.32,21.76) 101.32,23.59 111.66,33.93 v1(111.66,41.68) ; v1(108.03,23.91) 105.54,21.42 v1(105.54,20.36) ; v1(139.53,53.33) v1(137.07,53.33)
GATE5: length 216.4
  Top w0.2: R64.2 130.53,22.75 131.57,23.78 133.59,23.78 134,23.37 R65.2 v1(134,20.49) ; v1(178.98,75.63) 175.87,75.63 v1(175.4,75.16) ; v1(154.43,65.24) 161.56,65.24 J9.9 ; v1(167.52,19.24) 158.77,10.49 v1(154.1,10.49) ; v1(130.79,49.57) 131.28,49.08 U12.2
  Bottom w0.2: J9.9 169.92,69.68 v1(175.4,75.16) ; v1(134,20.49) 136.48,18.01 146.59,18.01 v1(154.1,10.49) ; v1(178.98,75.63) 178.98,90.22 184.28,95.51 184.76,95.51 185.53,94.74 185.53,37.25 v1(167.52,19.24) ; v1(130.79,49.57) 138.76,49.57 v1(154.43,65.24)
GATE6: length 126.9
  Top w0.2: v1(135.13,48.87) 133.66,50.35 U12.1 ; v1(150.78,51.3) v1(155.98,51.3) ; v1(150.9,23.58) 150.9,23.48 R68.2 152.58,22.75 153.81,23.97 155.76,23.97 156.05,23.68 R69.2 ; v1(145.11,39.87) v1(147.23,39.87)
  Bottom w0.2: v1(147.23,39.87) 150.78,43.42 v1(150.78,51.3) ; v1(135.13,48.87) 144.14,39.87 v1(145.11,39.87) ; J9.10 173.91,59.23 173.91,43.96 170.11,40.15 165.54,40.15 155.98,49.71 v1(155.98,51.3) ; 170.11,38.31 170.6,38.85 170.11,40.15 ; v1(150.9,23.58) 150.9,29.25 157.25,35.6 167.39,35.6 170.11,38.31
IMON: length 8
  Top w0.2: v1(98.09,51.12) 98.09,50.85 98.39,50.55 R43.1 ; 91.8,50.44 93.13,50.44 v1(93.82,51.12)
  Bottom w0.2: v1(93.82,51.12) v1(98.09,51.12)
IMON_F: length 14.2
  Top w0.2: R43.2 101.36,50.55 ; U10.6 110.18,49.61 108.42,47.86 104.05,47.86 101.36,50.55 ; 101.36,50.55 C27.1
ISNS_N: length 102.3
  Top w0.15: v1(155.98,56.83) 154.57,55.41 121.85,55.41 113.92,47.48 91.25,47.48 89.59,49.14 87.5,49.14 ; v1(155.98,66.19) 150.7,71.48 142.99,71.48 142.5,70.98 NT2.2
  Bottom w0.15: v1(155.98,56.83) v1(155.98,66.19)
ISNS_P: length 57.3
  Top w0.15: v1(126.67,68.41) 126.5,68.24 NT1.2 ; 87.5,49.78 86.83,49.78 86.5,50.12 86.5,50.67 v1(87.88,52.05)
  Bottom w0.15: v1(87.88,52.05) 88.43,52.61 88.43,63.91 92.93,68.41 v1(126.67,68.41)
K1_B: length 8.2
  Top w0.2: R20.2 158.34,49.61 158.05,49.32 155.89,49.32 154.68,50.53 Q2.1
K1_COIL: length 144.9
  Top w0.2: K1.A2 73.06,7.06 86.43,7.06 92.42,13.05 95.24,13.05 96.98,11.31 v1(114.58,11.31) ; v1(156.53,13.05) 168.06,24.58 168.06,27.16 157.15,38.08 157.15,41.76 154.77,44.14 D3.2 ; 154.5,45.28 153.59,46.19 Q2.3 ; v1(133.15,13.92) 133.92,13.92 v1(140.29,20.29)
  Bottom w0.2: v1(133.15,13.92) 117.19,13.92 v1(114.58,11.31) ; v1(156.53,13.05) 149.28,20.29 v1(140.29,20.29)
K2_B: length 9.7
  Top w0.2: 153.03,40.84 v1(153.03,42.07) ; v1(154.78,46.38) 155.74,46.38 156.44,45.67 Q3.1
  Bottom w0.2: v1(154.78,46.38) 153.03,44.62 v1(153.03,42.07)
K2_COIL: length 110.1
  Top w0.2: 159.15,41.07 159.79,41.71 159.79,44.72 ; v1(143.54,5.79) 152.19,5.79 155.95,9.55 159.31,9.55 168.89,19.13 168.89,28.89 159.18,38.61 159.18,40.42 ; K2.A2 98.05,1.95 115.11,1.95 v1(115.89,2.73)
  Bottom w0.2: v1(115.89,2.73) 117.42,4.26 142.01,4.26 v1(143.54,5.79)
LED_ARMED: length 24.8
  Top w0.2: R70.1 175.38,85.7 J10.6
LED_CHG: length 24.7
  Top w0.2: v1(184.7,94.45) 184.24,94.91 R71.1
  Bottom w0.2: J10.7 185.08,76.06 185.08,94.07 v1(184.7,94.45)
LEDA_K: length 40
  Top w0.2: D14.2 206.9,113.69 206.18,114.41 189.35,114.41 177.03,102.09 R70.2
LEDC_K: length 6
  Top w0.2: R71.2 185.89,99.53 185.6,99.82 183.69,99.82 182.42,98.56 D15.2
LIVE_LED: length 5.8
  Top w0.4: R25.2 191.35,98.59 192.49,99.73 194.31,99.73 194.71,99.33 D5.2
MCU_FIRE: length 55.9
  Top w0.2: R32.1 129.51,61.44 129.81,61.14 v1(130.92,61.14) ; v1(152.93,64.6) J9.11 ; U6.1 116.52,62.61 116.52,62.41 117.01,61.92 118.45,61.92 119.76,60.6 v1(121.81,60.6)
  Bottom w0.2: v1(152.93,64.6) 148.66,60.34 131.72,60.34 v1(130.92,61.14) ; 129.6,60.6 130.9,61.1 ; v1(121.81,60.6) 129.59,60.6
OVP_REF: length 9
  Top w0.2: R15.2 R16.1 88.25,26.39 88.96,25.67 U5.2
QG1: length 23.9
  Top w0.5: R34.2 75.64,68.33 ; 75.64,68.33 75.64,74.3 73.8,76.14 Q10.1 ; 75.64,68.33 78.99,71.67 R35.1 82.85,71.67 83.68,70.85 D6.1
QG2: length 25.9
  Top w0.5: Q11.1 91.8,76.47 96.6,71.67 R38.1 100.83,70.85 101.06,70.85 ; R37.2 98.54,68.33 101.06,70.85 ; D7.1 101.06,70.85
QG3: length 34
  Top w0.5: 119.73,71.67 119.73,79.53 118.86,80.4 110.18,80.4 109.8,80.03 Q12.1 109.8,69.64 110,69.44 R40.2 ; 119.73,71.67 R41.1 ; 119.73,71.67 119.73,71.64 120.52,70.85 D8.1
RLY_CHARGE: length 12.9
  Top w0.2: R20.1 156.69,52.15 161.52,56.98 J9.14
RLY_DUMP: length 34.2
  Top w0.2: v1(151.38,42.07) 151.38,40.84 ; v1(160.64,59.8) 160.39,60.05 v1(154.71,60.05)
  Bottom w0.2: J9.15 v1(160.64,59.8) ; v1(151.38,42.07) 151.38,56.72 v1(154.71,60.05)
RPP_G: length 19.3
  Top w0.2: 10.07,51.16 10.07,51.91 ; 10.07,51.16 9.63,50.71 v1(9.63,49.6) ; 10.07,51.16 v1(10.07,50.56) ; v1(9.38,45.18) R1.1 ; v1(14.17,46.11) 14.17,45.73 16.37,43.53 D1.2
  Bottom w0.2: v1(9.63,49.6) 9.38,49.35 v1(9.38,45.18) ; v1(14.17,46.11) 10.07,50.2 v1(10.07,50.56)
SHUNT_HI: length 114.3
  Top w0.3: RS1.1 NT1.1
  Bottom w1.5: v4(79.8,78) v4(94.2,78) v4(96.6,78) v4(112.2,78) v4(115.8,78) v4(128.6,78) v4(76.2,78) v4(79.8,78)
  vias: v2(68,73.5) v2(73,73.5) v2(78,73.5) v2(93,73.5) v2(98,73.5) v2(103,73.5) v2(108,73.5) v4(121.5,78)
SIG1: length 76.3
  Top w0.2: v1(180.28,8.44) 182.87,11.03 184.46,11.03 187.66,7.83 187.66,4.04 188,3.7 190.16,3.7 J7.3 ; R46.2 R47.1 v1(134.15,26.37) ; v1(171.66,8.44) v1(158.6,8.44)
  Bottom w0.2: v1(171.66,8.44) v1(180.28,8.44) ; v1(158.6,8.44) 147.34,19.69 139.61,19.69 134.15,25.16 v1(134.15,26.37)
SIG2: length 53.8
  Top w0.2: J7.4 192.76,3.76 192.76,7.3 v1(186.01,14.05) ; v1(156.2,26.37) R51.1 R50.2
  Bottom w0.2: v1(186.01,14.05) 168.52,14.05 v1(156.2,26.37)
SIG3: length 128.5
  Top w0.2: R54.2 R55.1 75.02,20.63 v1(80.08,15.57) ; v1(141.35,5.11) 154,5.11 155.76,6.87 v1(172.76,6.87) ; v1(85.15,13.95) 88.79,13.95 v1(90.08,12.66)
  Bottom w0.2: v1(172.76,6.87) 187.05,6.87 J7.5 ; v1(80.08,15.57) 81.7,13.95 v1(85.15,13.95) ; v1(141.35,5.11) 138.97,5.11 137.87,6.21 93.48,6.21 90.08,9.61 v1(90.08,12.66)
SIG4: length 103.6
  Top w0.2: R58.2 R59.1 97.07,21.71 105.93,12.86 v1(141.91,12.86)
  Bottom w0.2: J7.6 187.63,3.75 158.44,3.75 149.32,12.86 v1(141.91,12.86)
SIG5: length 85.1
  Top w0.2: R62.2 R63.1 119.67,22.75 120.03,22.39 v1(120.03,21.84) ; J7.7 186.38,7.63 v1(183.87,10.13) ; v1(157.61,17.06) 150.49,9.94 v1(147.12,9.94)
  Bottom w0.2: v1(147.12,9.94) 145.17,11.89 137.31,11.89 127.37,21.84 v1(120.03,21.84) ; v1(183.87,10.13) 164.53,10.13 v1(157.61,17.06)
SIG6: length 71.5
  Top w0.2: v1(144.83,10.97) 141.14,14.66 141.14,22.75 ; 141.14,22.75 R67.1 ; 141.14,22.75 R66.2 ; v1(139.7,5.71) 141.63,3.78 185.06,3.78 J7.8
  Bottom w0.2: v1(144.83,10.97) 144.83,10.84 v1(139.7,5.71)
SIG_SPARE: length 39.9
  Top w0.2: v1(186,15.01) 179.32,8.34 179.32,7.9 182.22,5 J7.9
  Bottom w0.2: J8.3 193.99,23 v1(186,15.01)
SNB1: length 3.3
  Top w0.2: C23.1 R36.2
SNB2: length 3.3
  Top w0.2: C24.1 R39.2
SNB3: length 3.3
  Top w0.2: R42.2 C25.1
SW_DRAIN: length 53.9
  Top w0.2: 38.41,65.64 v2(42.71,65.64) ; 38.41,65.64 34.61,65.64 32,63.04 J5.2 ; 38.41,65.64 38.41,66.7 55.18,83.46 R36.1
  vias: v2(34,62) v2(77.05,86) v2(82.05,86) v2(92.05,86) v2(97.05,86) v2(112.05,86) v2(117.05,86)
VBANK: length 296.4
  Top w0.7: 144,102.5 144,118 ; v1(12.69,70.27) 12.69,82.51 18,87.82 R24.1 ; K1.14 88,4 K2.11 ; v1(42.77,41.1) 43.6,40.27 43.65,40.27 F2.2 F2.2 ; 188,98.5 v1(188,107.73)
  Bottom w0.7: v1(188,107.73) 188,118 ; v1(12.69,70.27) 12.69,57.48 18.24,51.93 31.95,51.93 v1(42.77,41.1) ; 94,118 82,118 ; 186,118 187.13,116.87 187.13,32.05 186,30.92 R19.2 ; F2.2 43.26,35.18 43.26,21.66 58.14,6.77 79.43,6.77 K1.14
  vias: v2(10,109) v2(10,104) v2(10,99) v2(15,109) v2(15,104) v2(15,99) v2(15.8,89.1) v2(20,104) v2(20,99) v2(20,89) v2(30,119) v2(90,119)
VBANK_DIV: length 31.9
  Top w0.2: 149.99,100.99 149.99,100.06 144.97,95.04 138.23,95.04 133.46,99.81 U3.3 ; 149.99,100.99 150.92,100.99 152.48,102.55 C16.1 ; 149.99,100.99 149.05,101.93 R27.1 R26.2
VBANK_SENSE: length 67.7
  Top w0.2: 131.95,101.08 133.86,101.08 v1(135.35,99.58) ; v1(152.63,82.3) 158.87,76.07 170.17,76.07 v1(178.72,67.52) ; 131.95,101.28 131.95,102.02
  Bottom w0.2: J10.11 181.64,64.6 v1(178.72,67.52) ; v1(152.63,82.3) v1(135.35,99.58)
VBOOST: length 320.6
  Top w0.7: v1(72.19,43.57) C13.1 74.39,47.55 73.82,48.13 65,48.13 62.65,45.78 C12.1 ; v1(70.21,39.99) 62.91,39.99 59.41,43.49 C12.1 ; v1(54.55,56.66) 56.68,54.52 56.68,45.78 C12.1 ; D2.1 57,62.99 v1(56.97,62.95) ; v1(139.61,7.17) 149.1,7.17 166,24.08 R19.1 161.34,30.66 155.64,30.66 153.51,32.8 R10.1 ; C12.1 59.41,48.06 62.04,50.69 83.06,50.69 v1(90.72,43.03) ; v1(124.55,28.37) R9.1 ; v1(77.45,31.12) 79.39,31.12 82.91,27.59 R15.1
  Bottom w0.7: K1.11 68,39.38 v1(72.19,43.57) ; v1(124.55,28.37) 114.9,28.37 102.64,16.11 102.64,15.68 ; v1(54.55,56.66) 54.55,60.53 v1(56.97,62.95) ; v1(70.21,39.99) 75.07,35.12 75.07,32.78 76.73,31.12 v1(77.45,31.12) ; v1(90.72,43.03) 90.72,24.55 99.59,15.68 102.64,15.68 ; 102.64,15.68 102.64,15.02 110.48,7.17 v1(139.61,7.17)
